# Altium PCB RT_SUPER_C1.PCBdoc (part 1 of 2)
Units mil, origin at the board's own origin, x right, y up, seen from the top; angles counter-clockwise.
Board outline 1450 x 1450 mil, 6 copper layers (Top Layer, GND2, PWR3, PWR4, GND5, Bottom Layer), stack 39.512 mil thick; 158 components, 116 nets, 476 pads, 207 vias.
Unrouted connection lines stored in the file: 5.
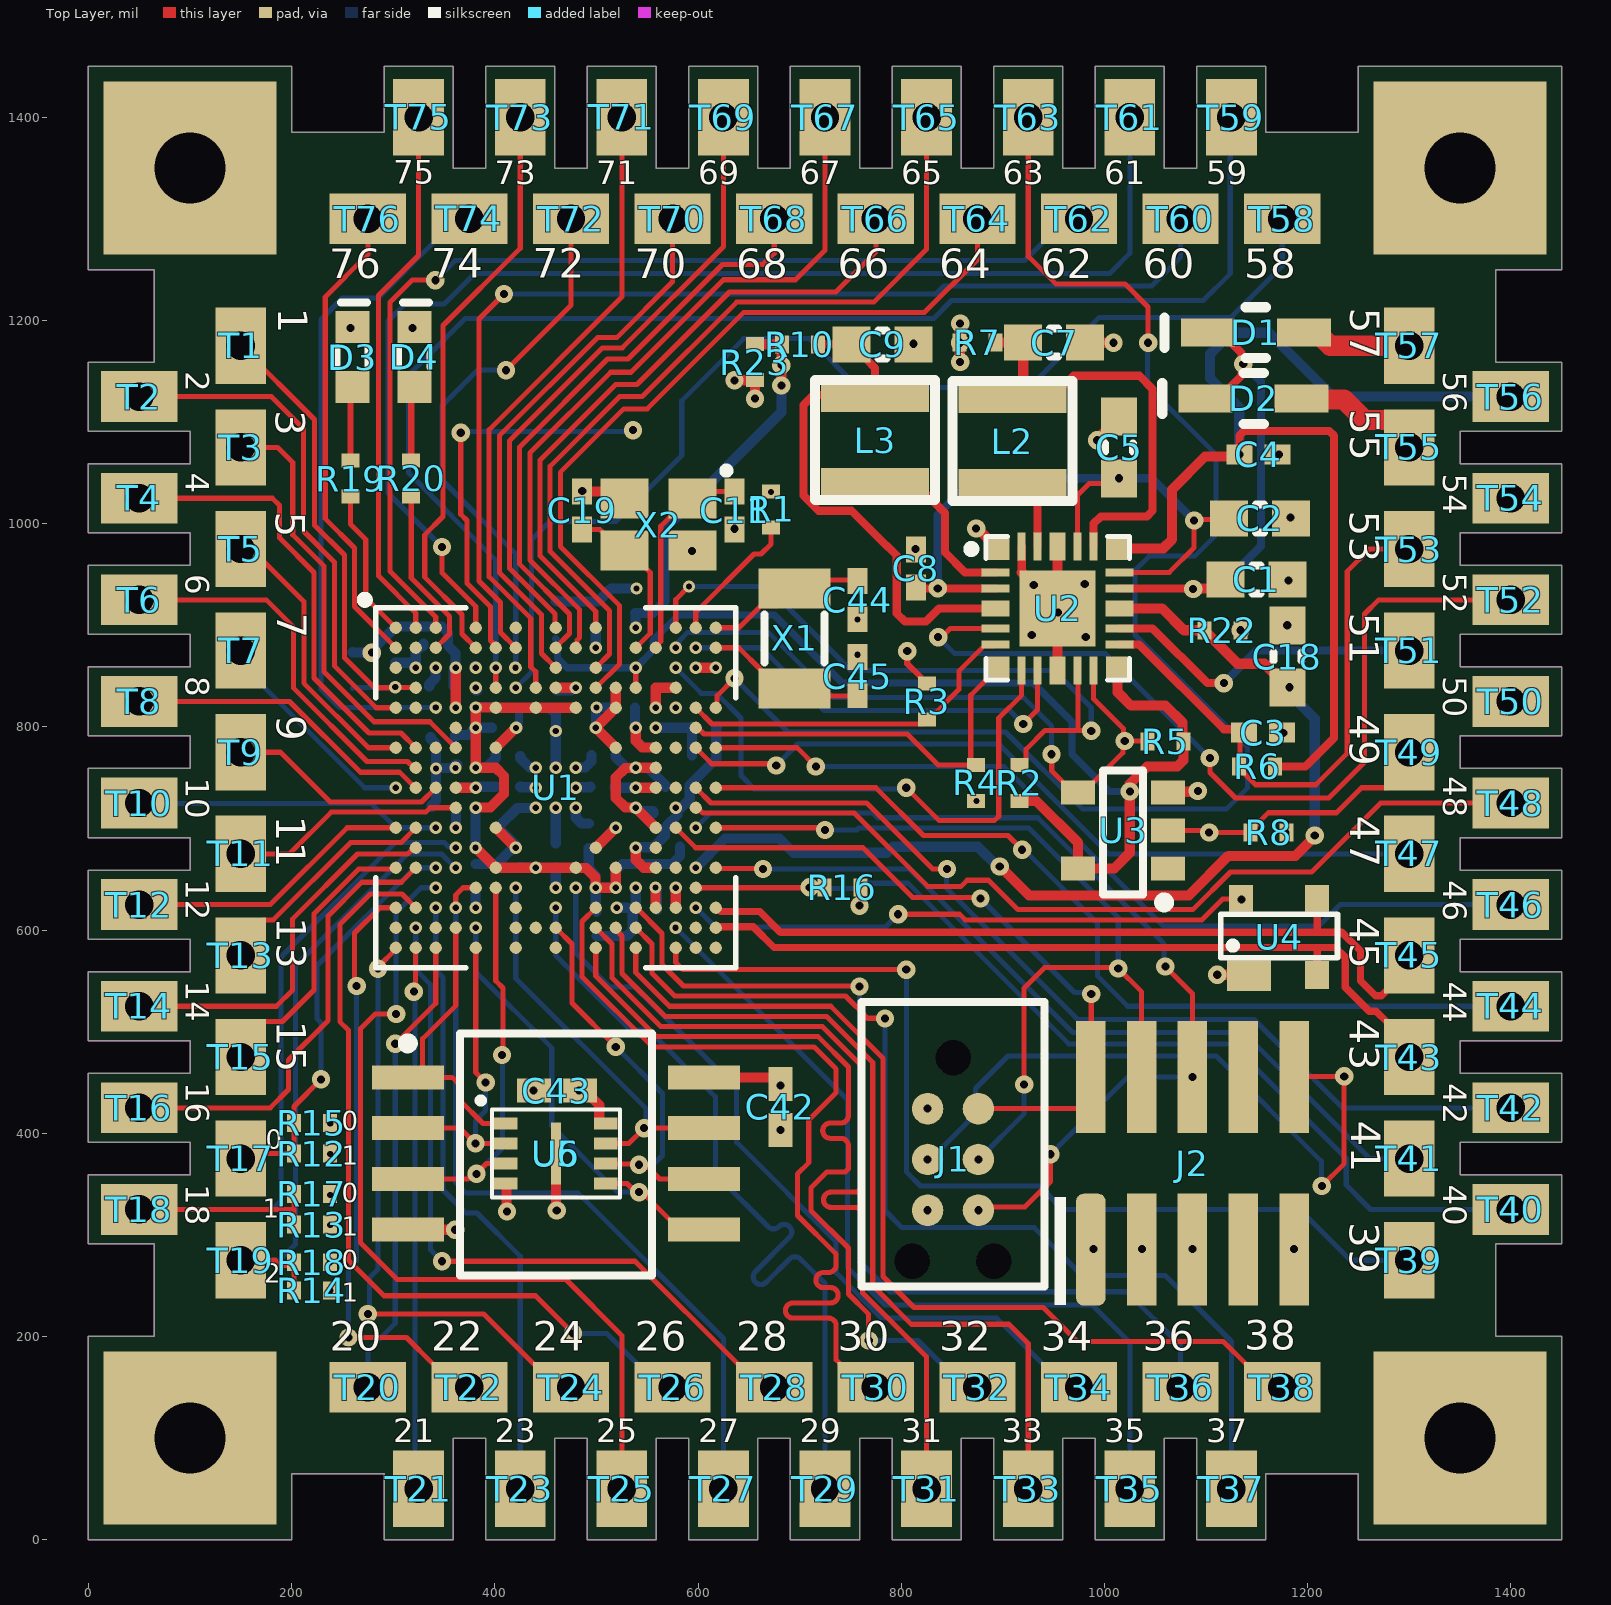
[diagram p0: Top Layer view]
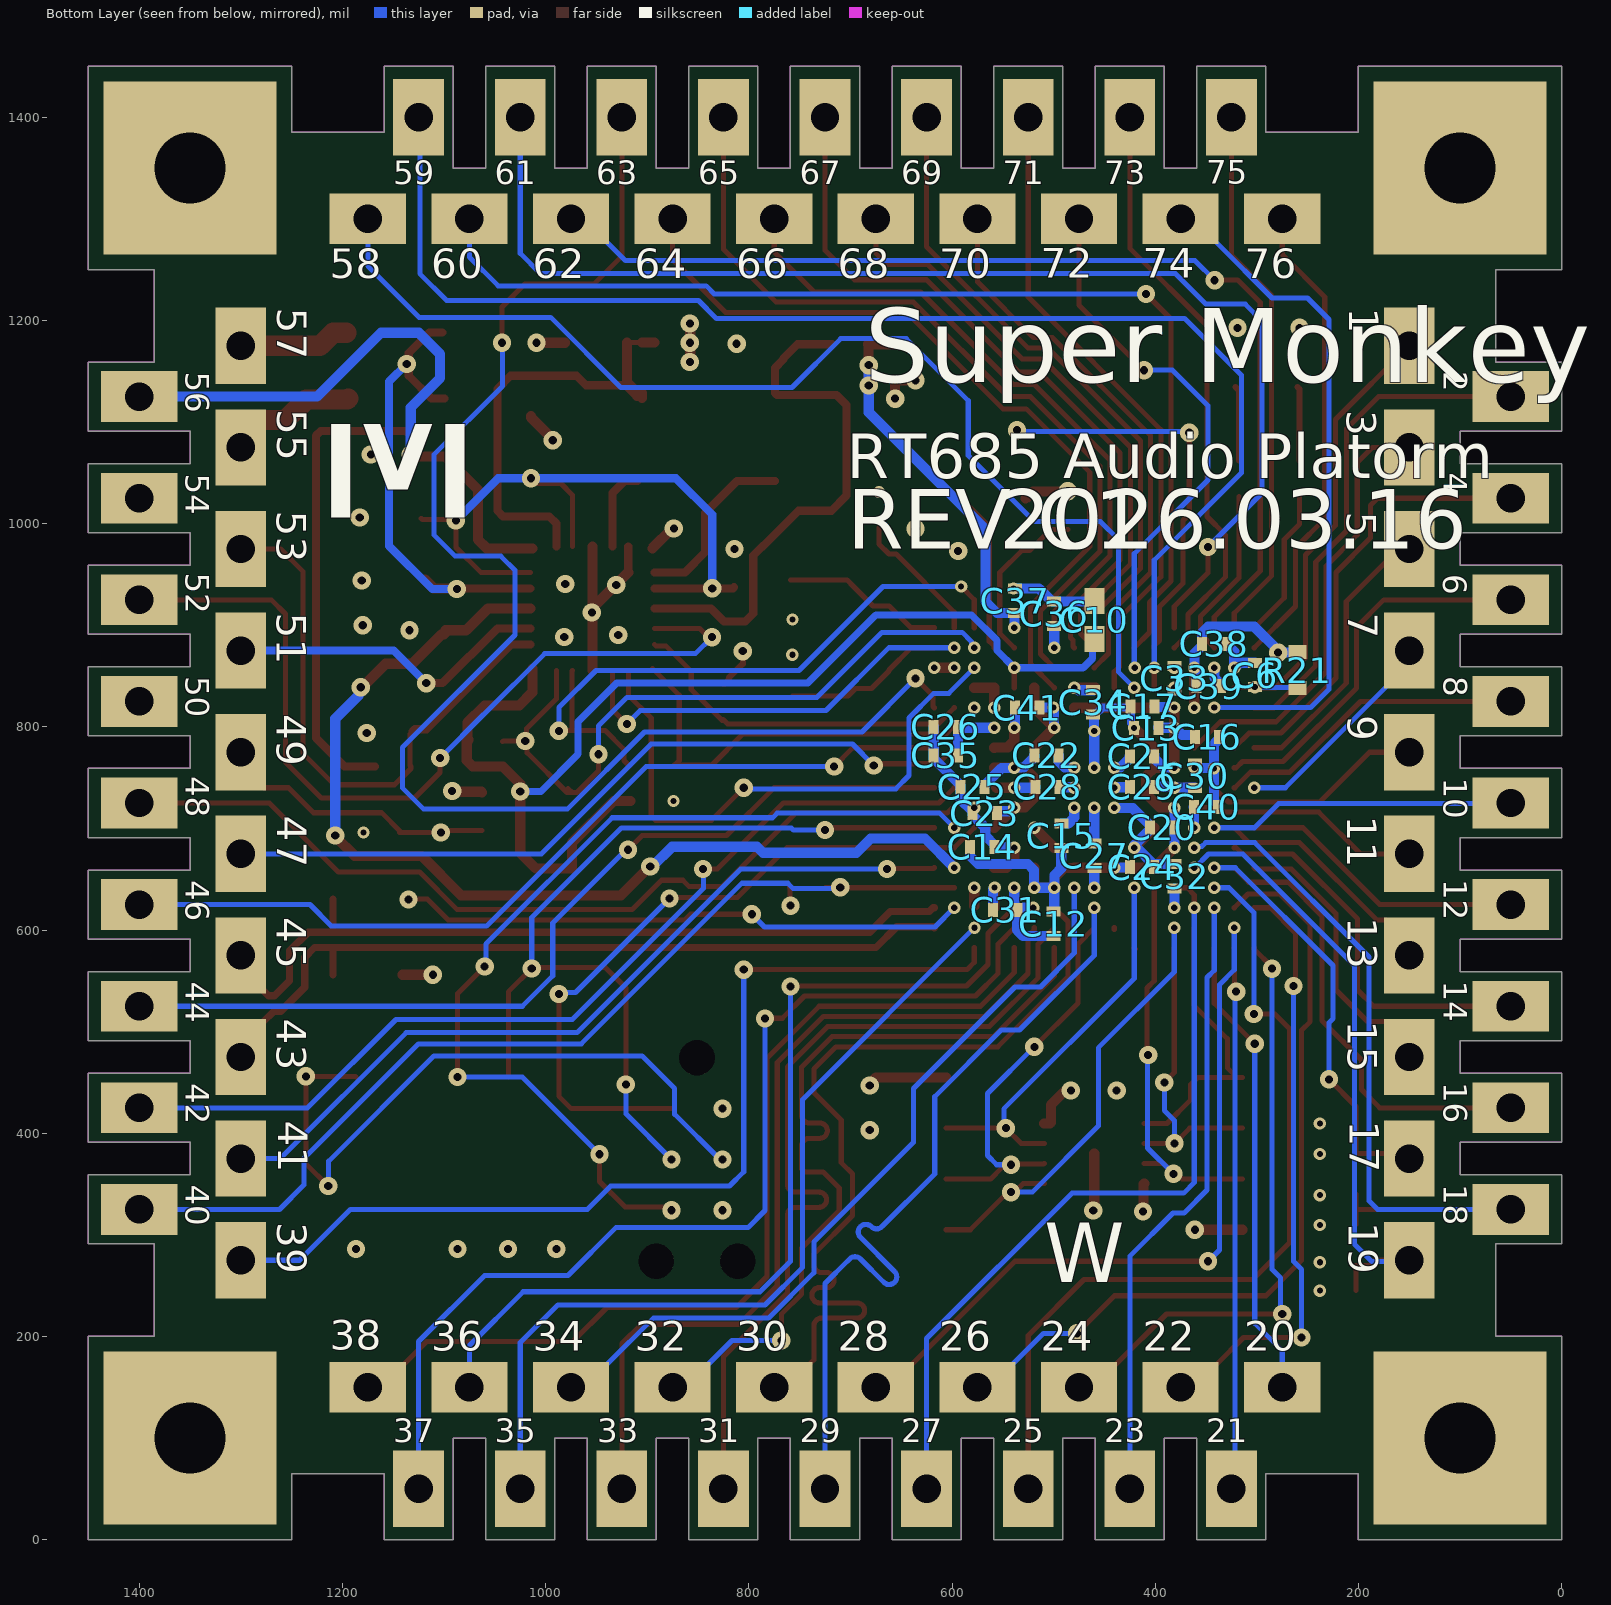
[diagram p1: Bottom Layer view, seen from below]
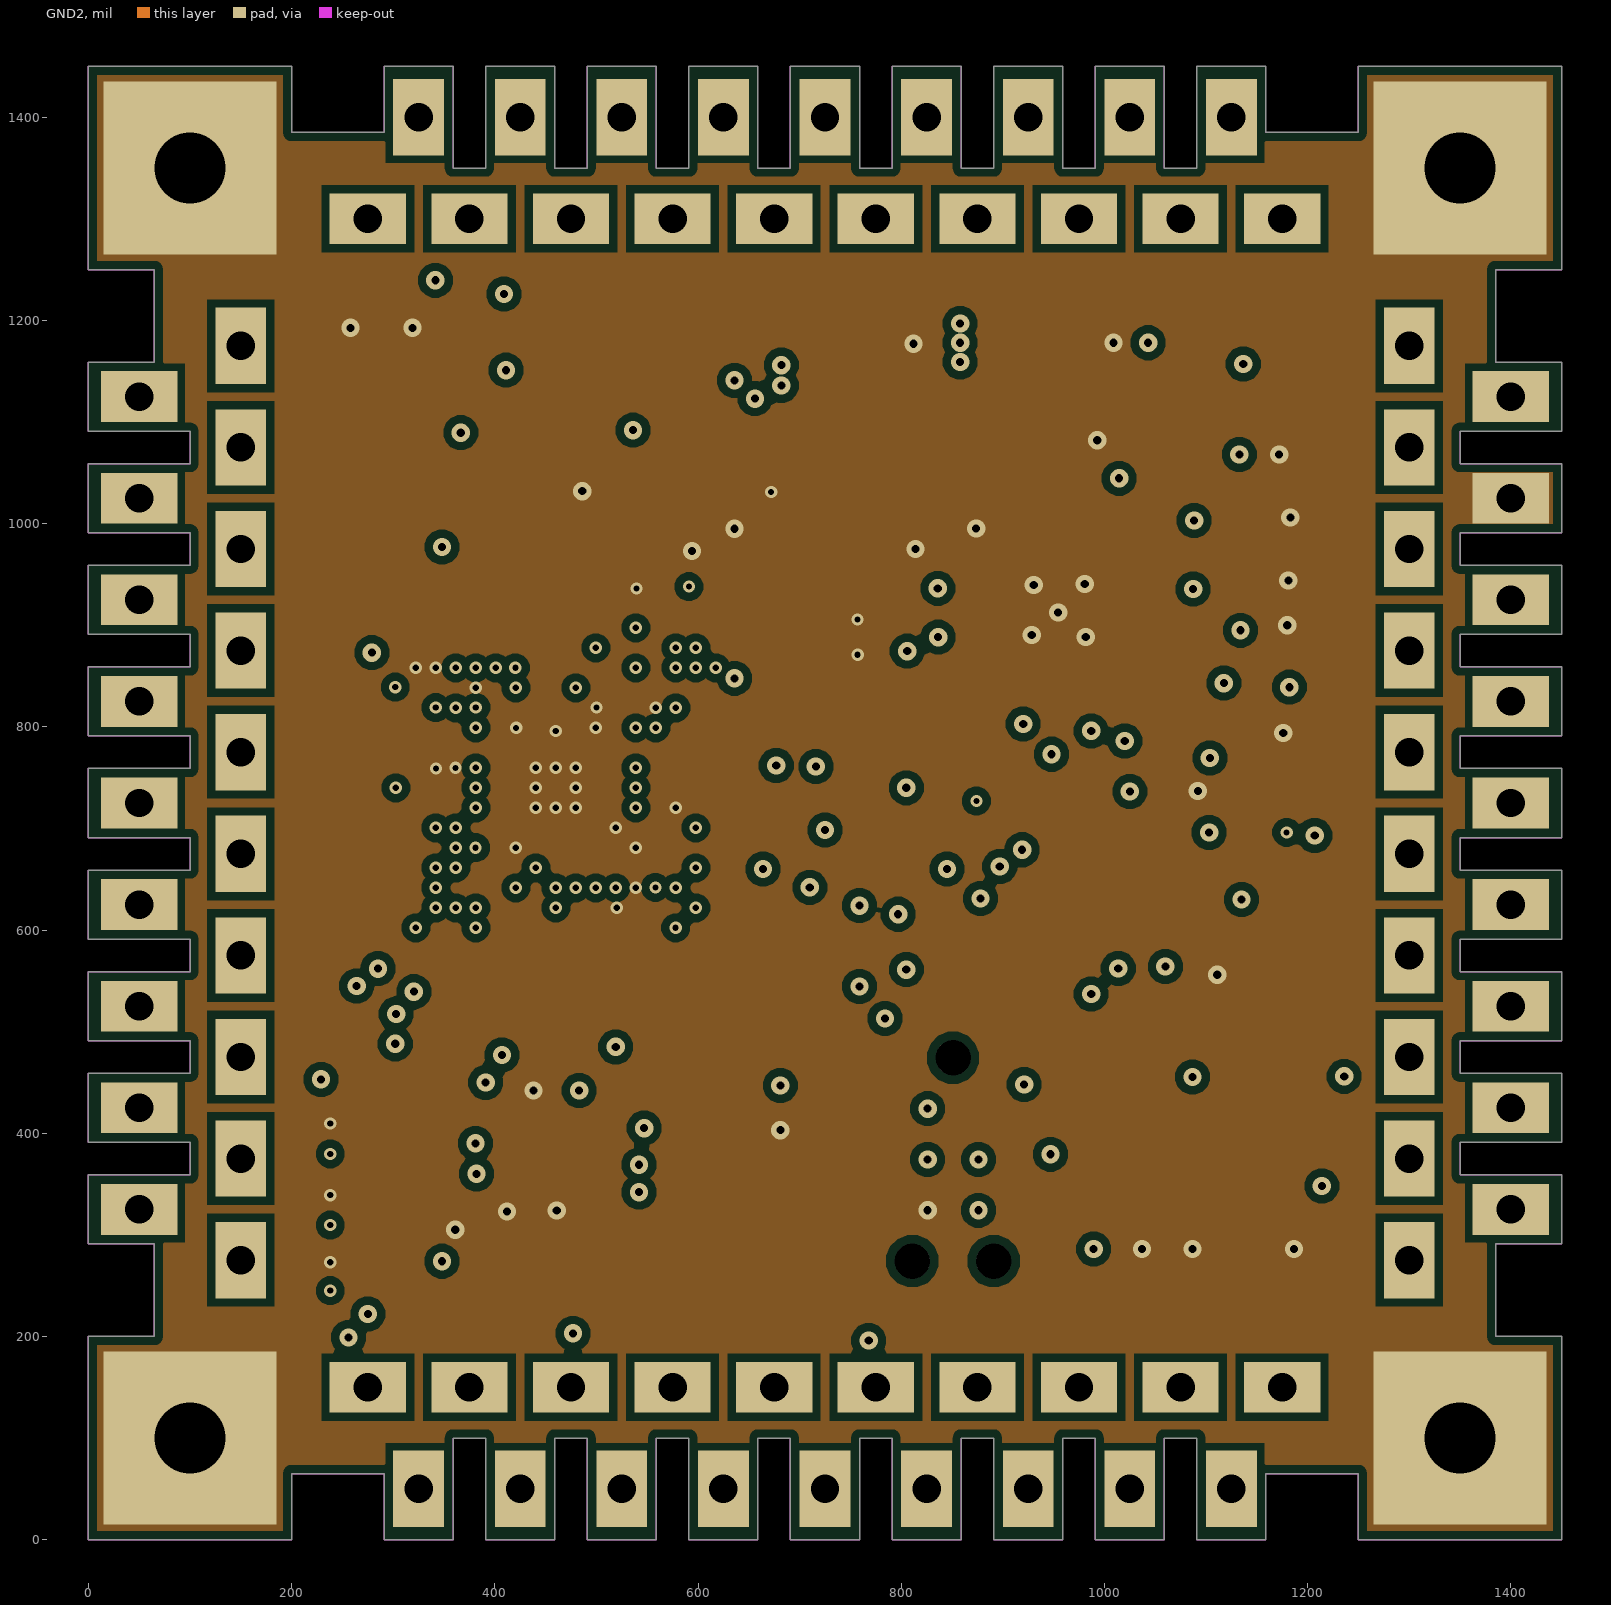
[diagram p2: GND2]
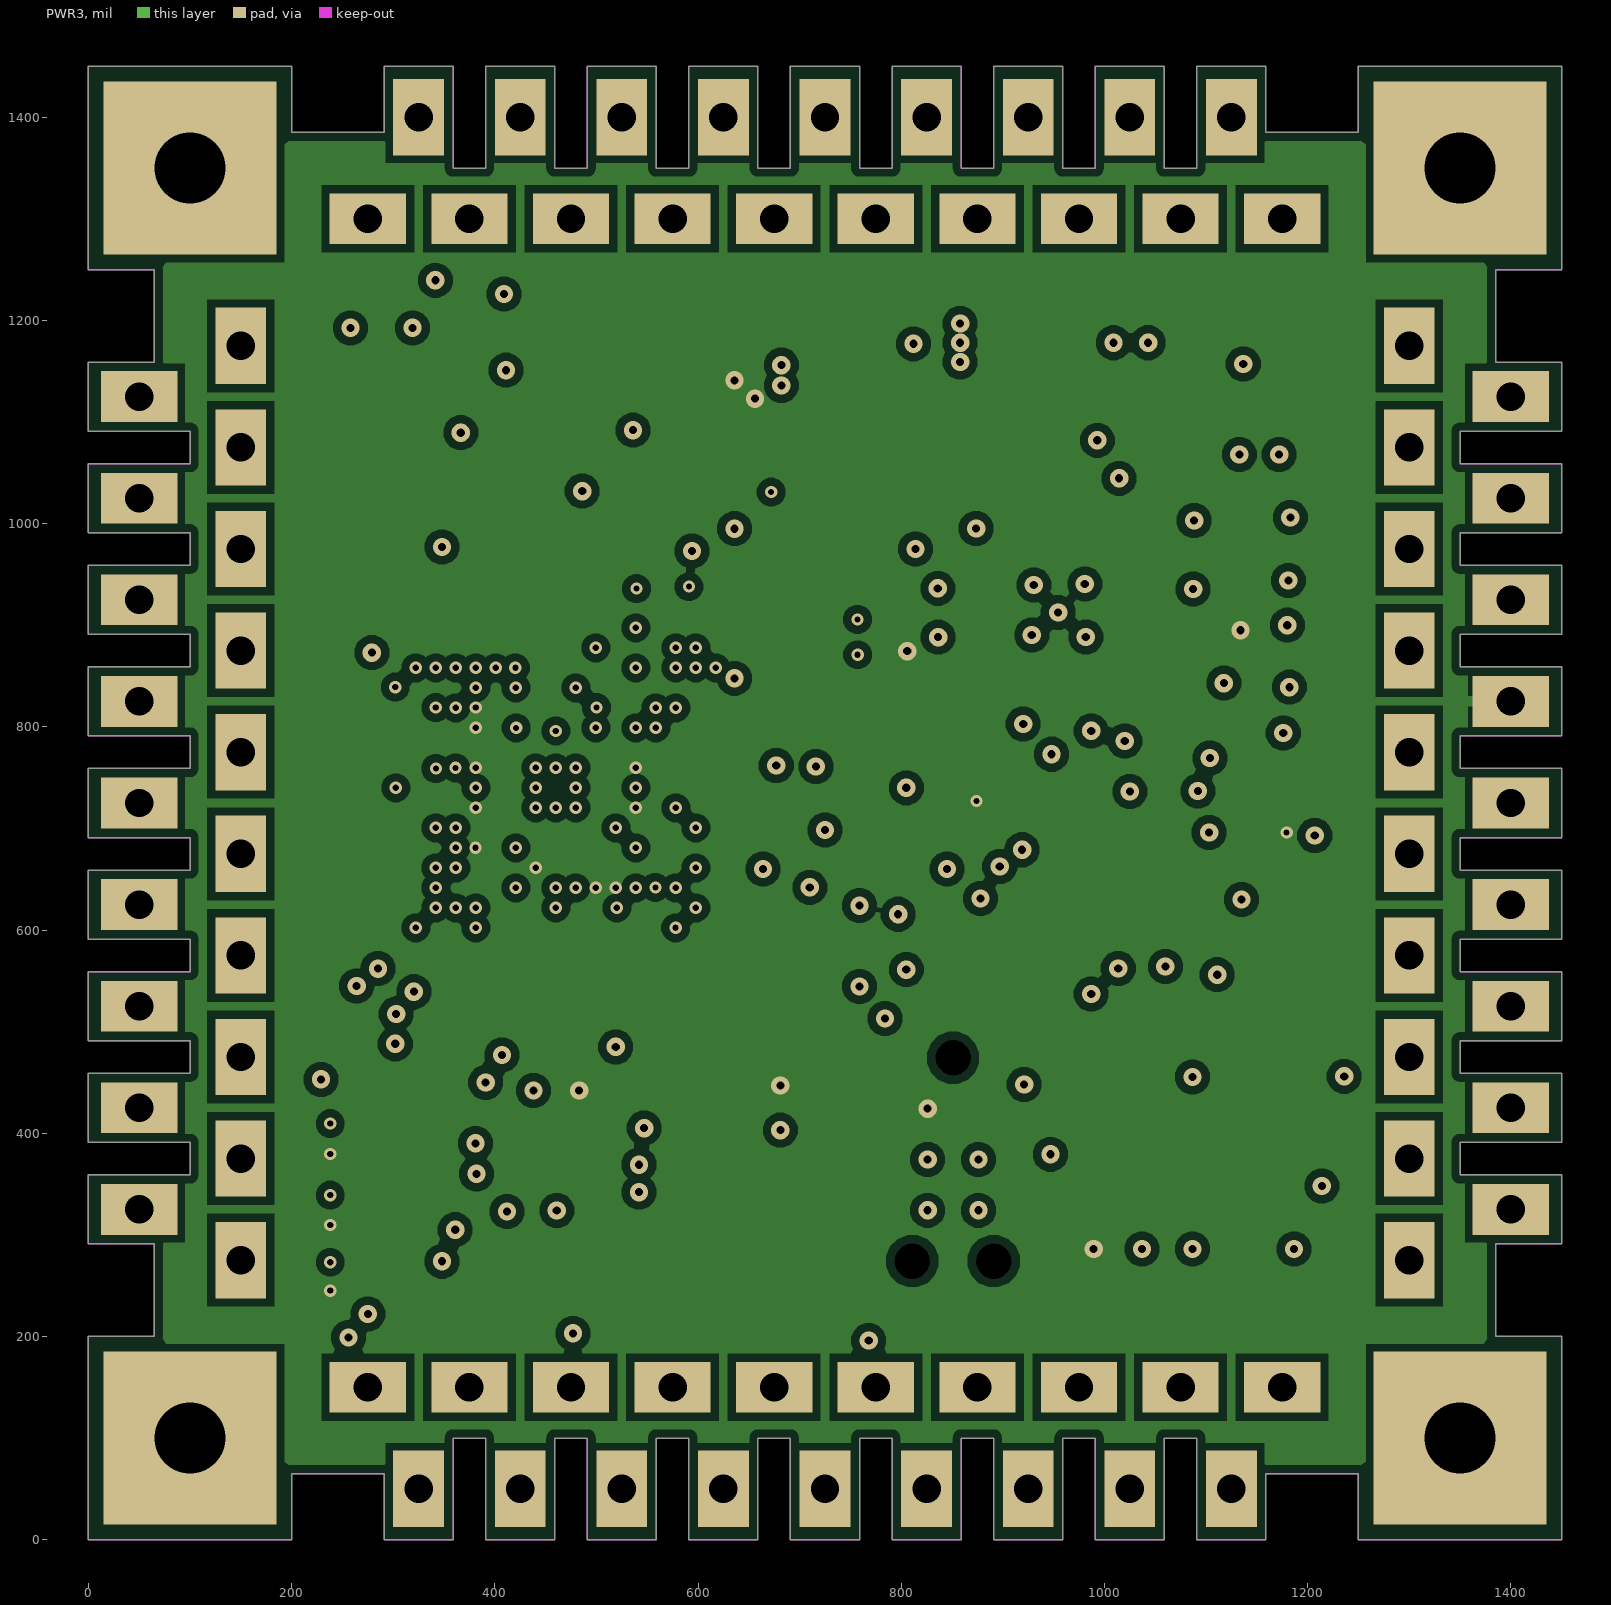
[diagram p3: PWR3]
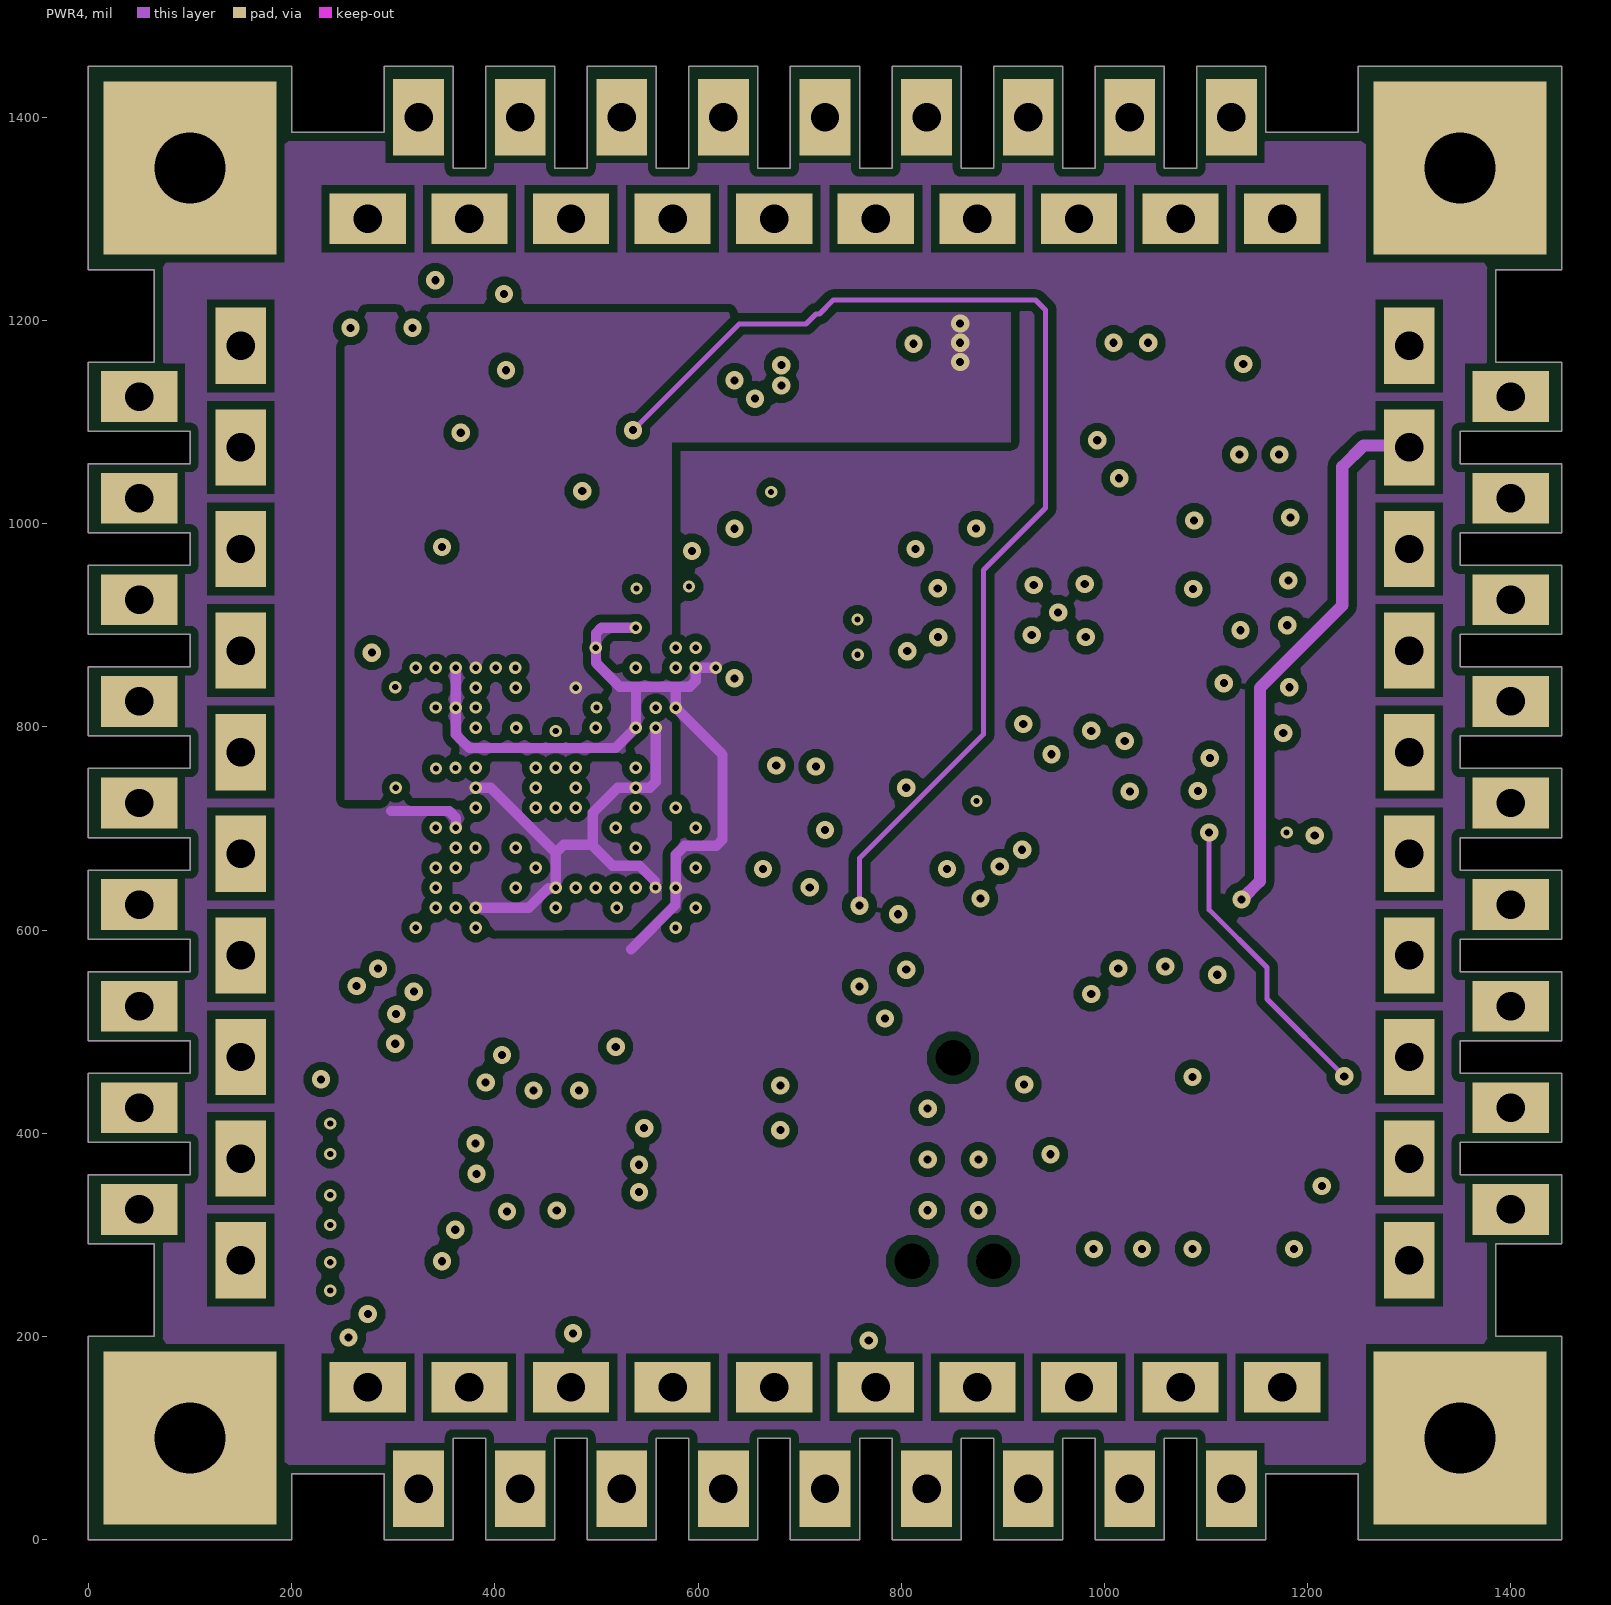
[diagram p4: PWR4]
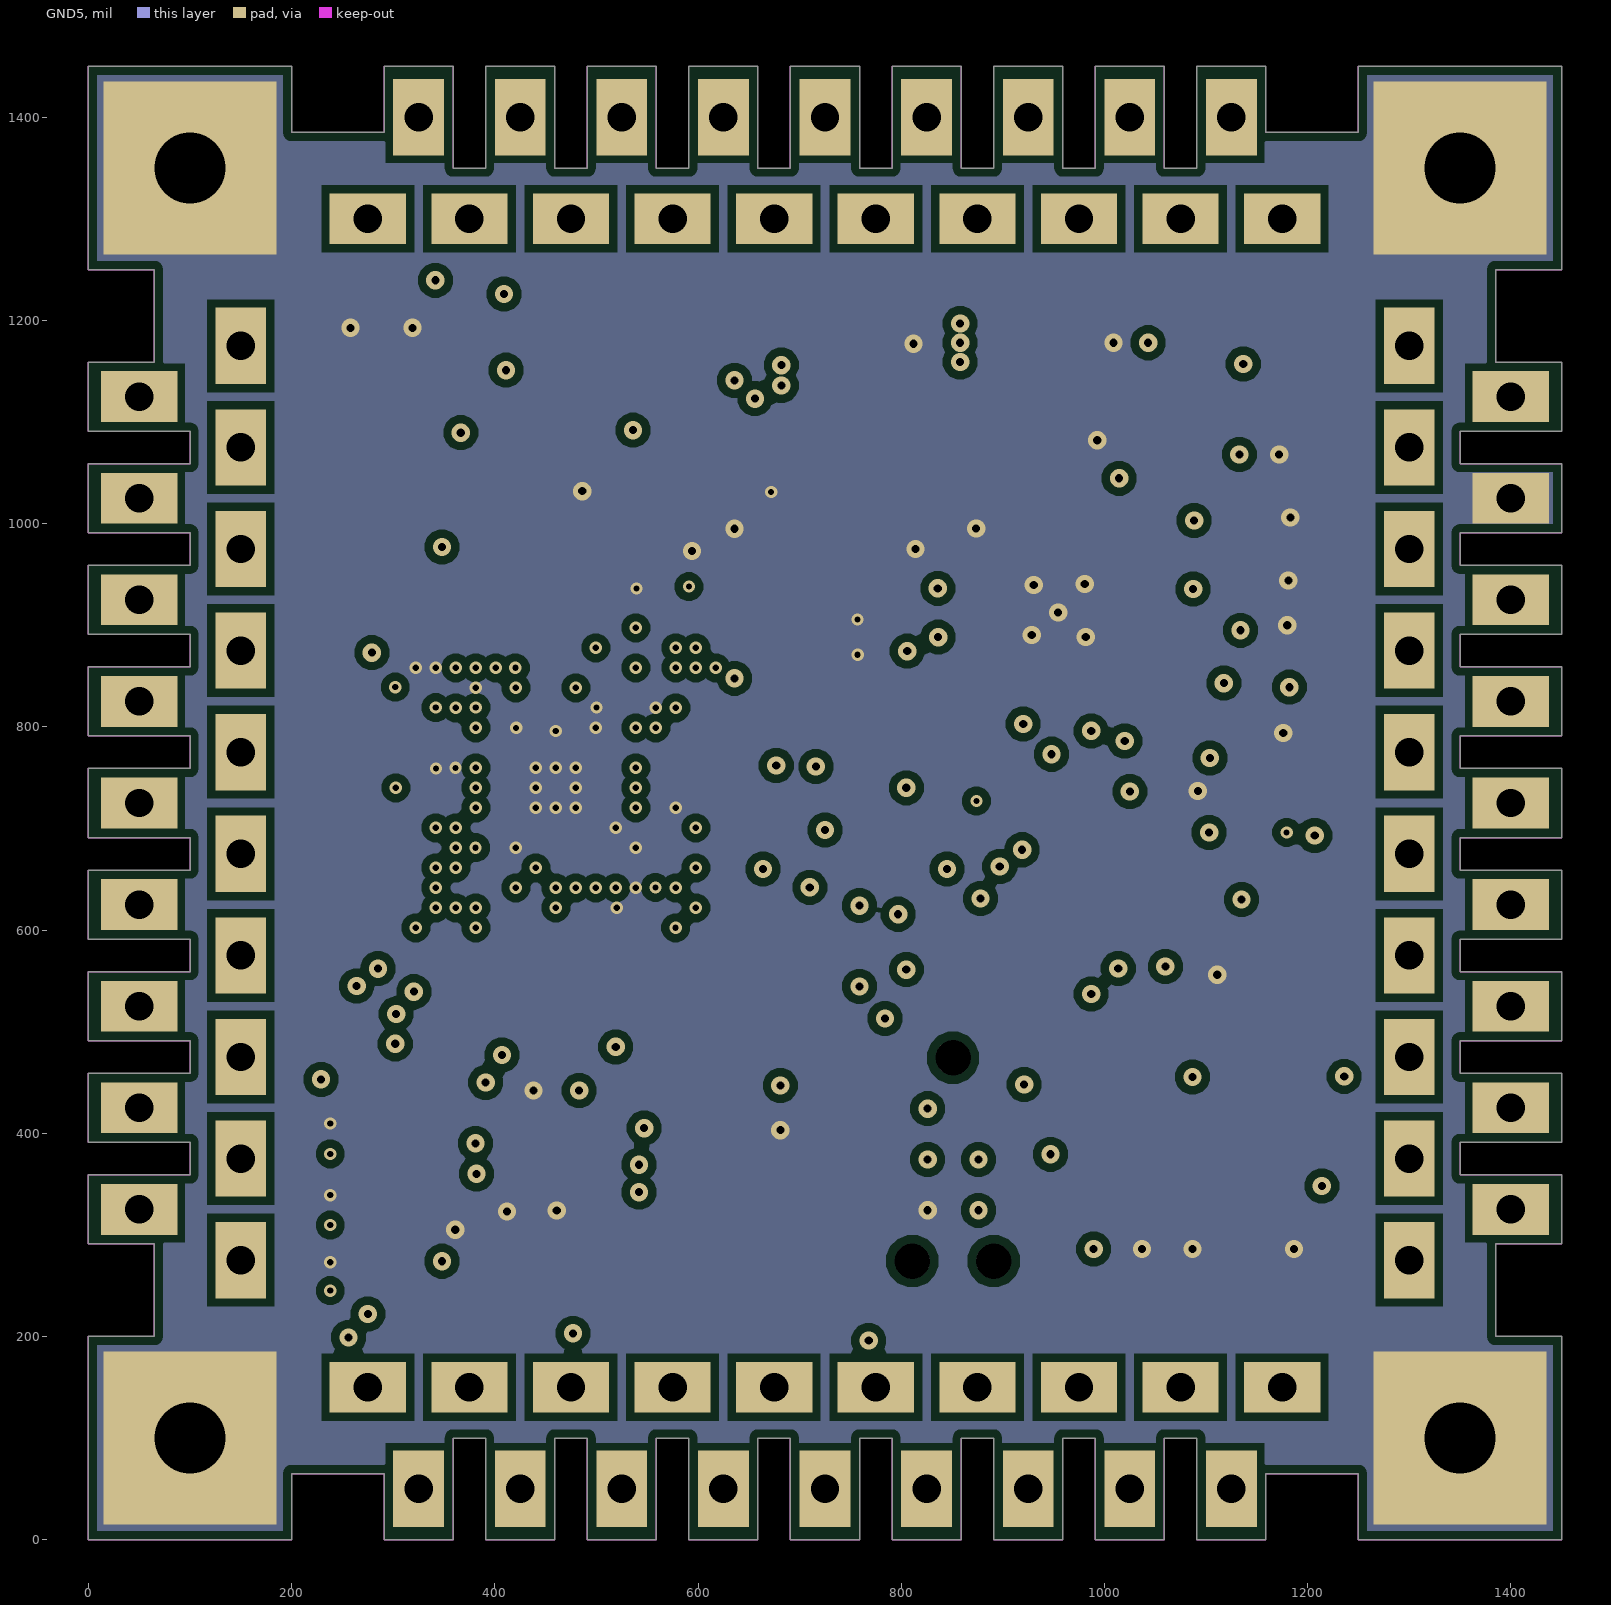
[diagram p5: GND5]
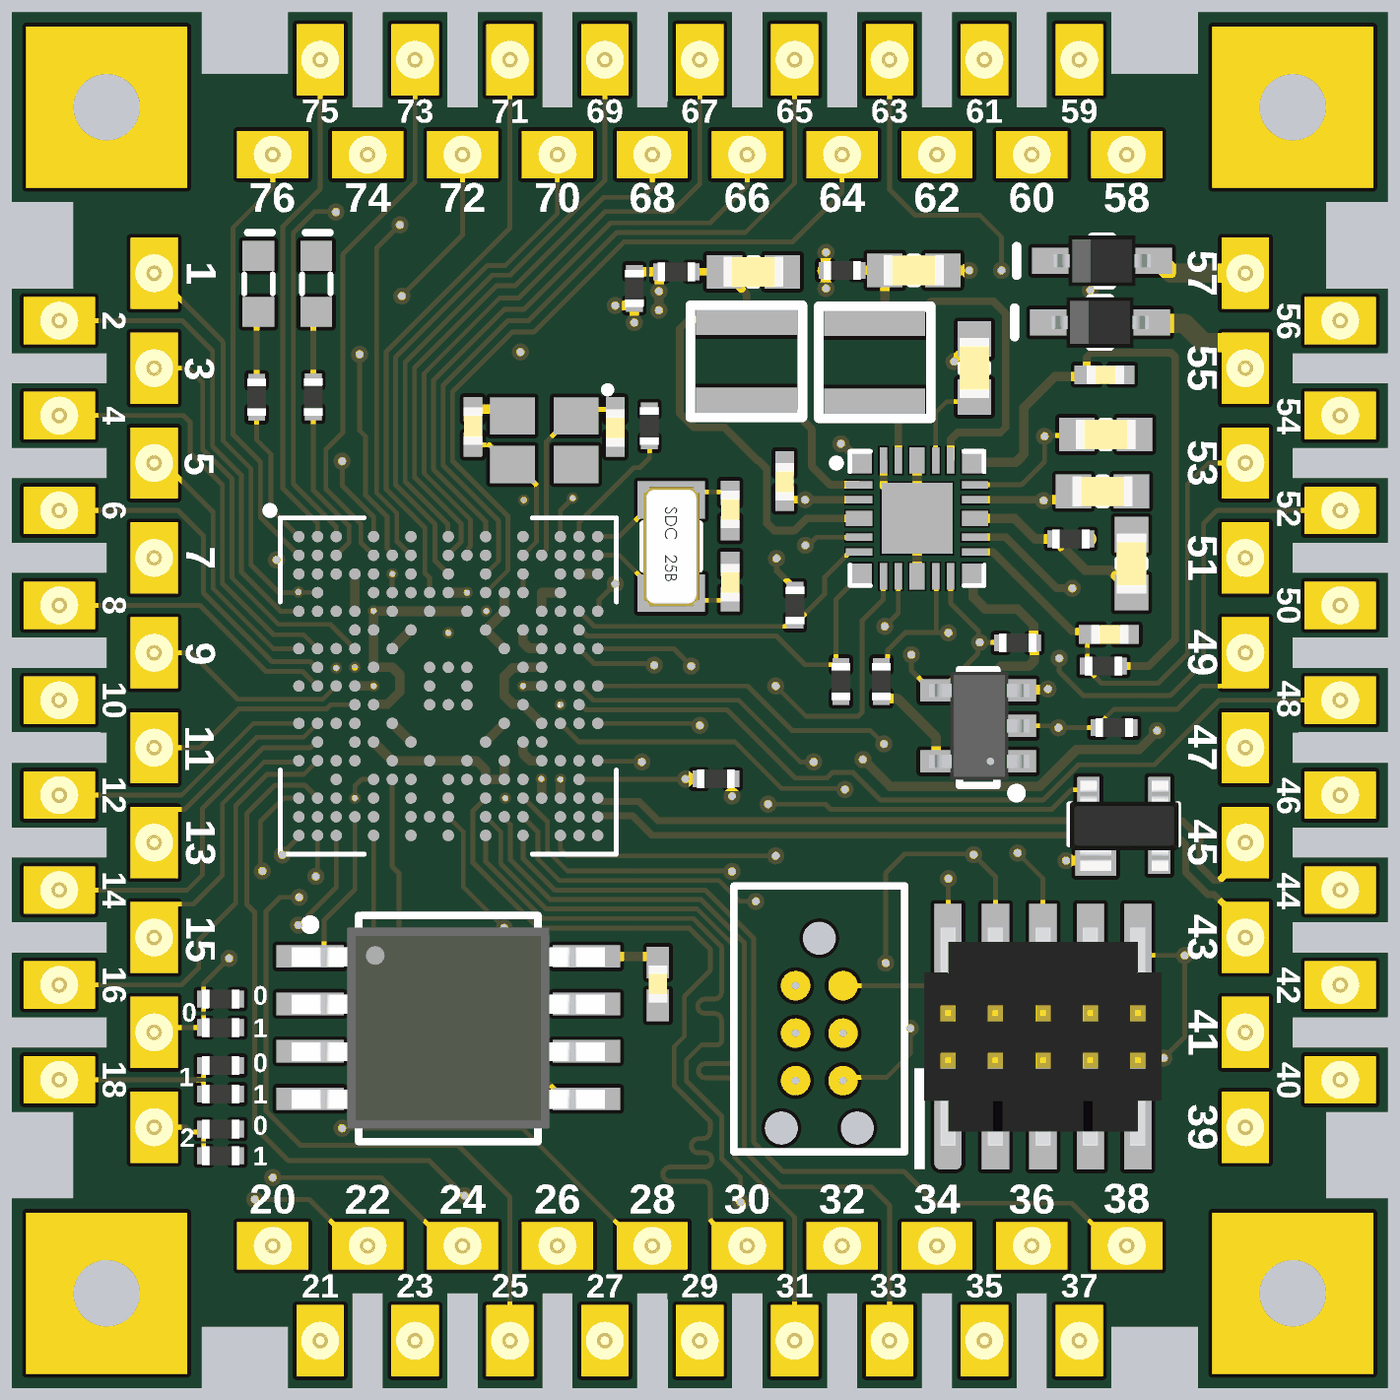
[diagram p7: 3D render of the assembled board from above, using the file's embedded part models]